# Allegro board ZDRK-36-DE3-A02-20190729.brd (continued)
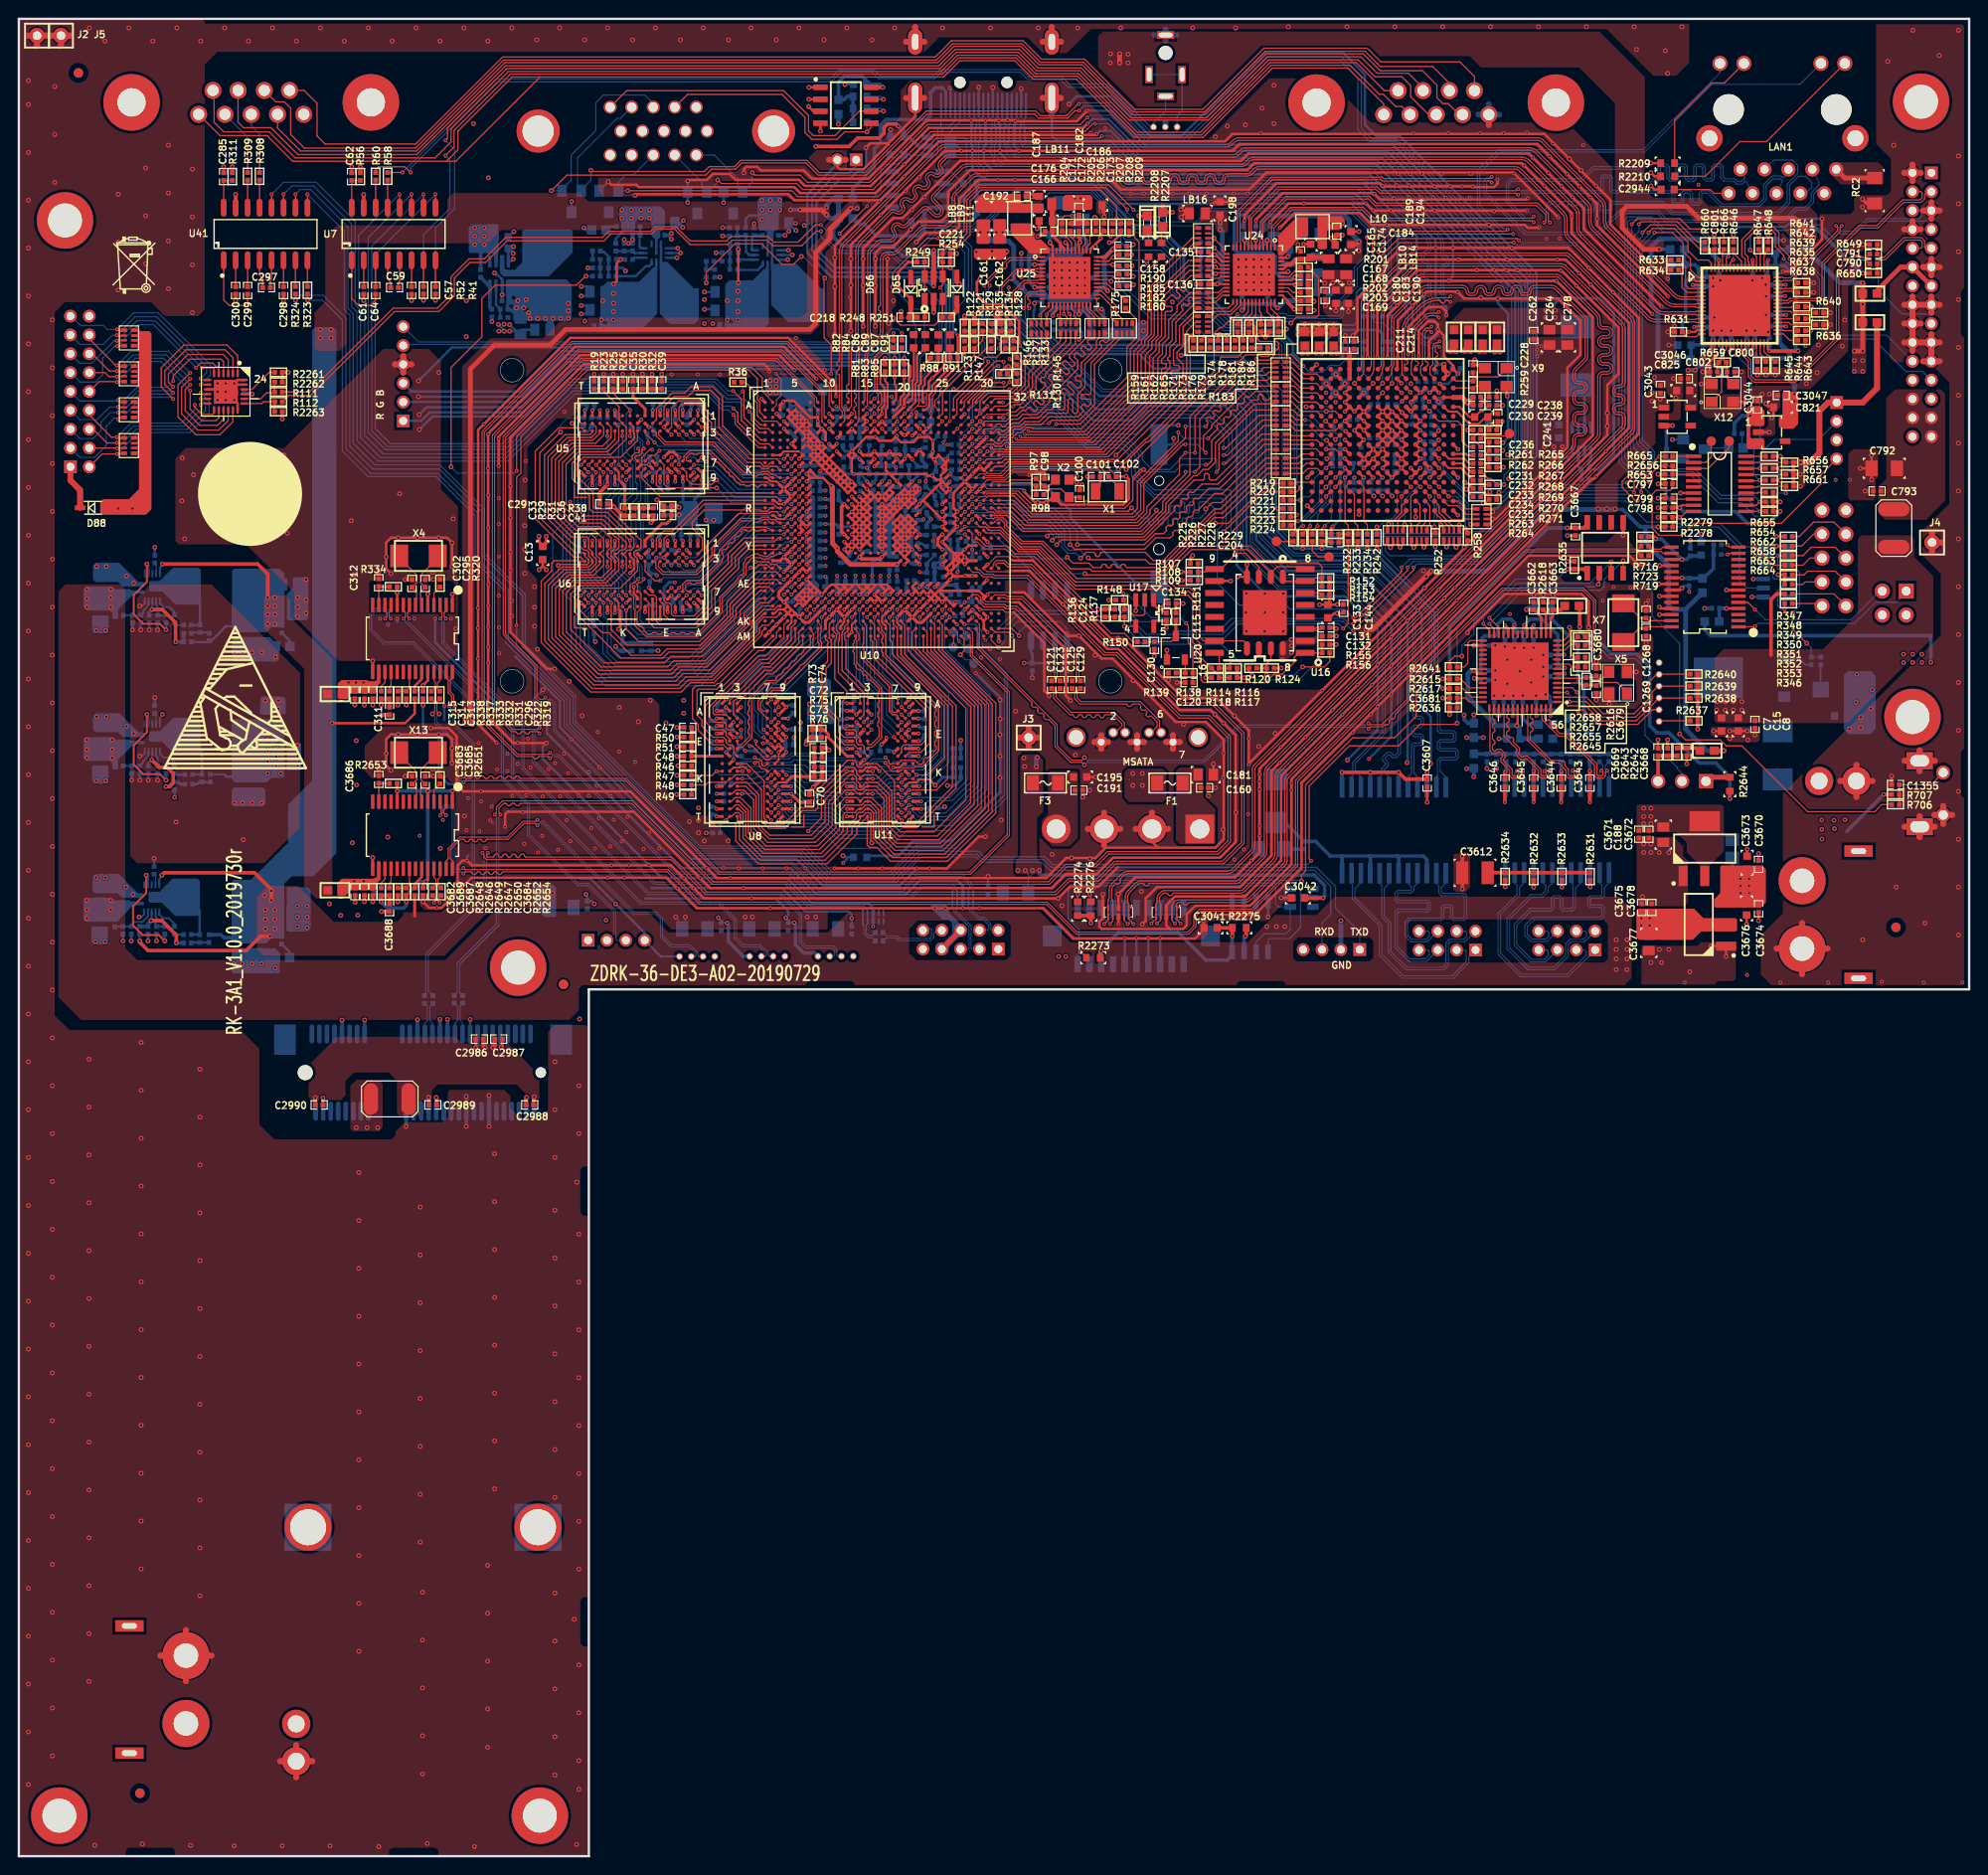
[diagram p0: board, top side]
## Nets (continued)
N18122567: R319.2 U43.26(DP0)
N18122574: R338.2 U43.17(PSELF)
N18122576: R337.2 U43.18(PGANG)
N18122660: C295.2 U43.6(XTAL1) X4.1
N18122662: C302.2 U43.7(XTAL2) X4.2
N18122672: R331.2 U43.23(V5)
N18122674: R332.1 R333.1 U43.21(OVCUR1#)
N18172660: J108.7 R348.1
N18172710: J108.8 R347.1
N18173126: J108.3 R352.1
N18173239: J108.5 R350.1
N18173263: J108.1 R346.1
N18173335: J108.2 R353.1
N18173338: J108.4 R351.1
N18173341: J108.6 R349.1
N18174047: Q2.1(G) R28.1
N18220213: L14.1(A) U38.3(SW)
N18220215: R304.1 R305.1 U38.7(FB)
N18220289: C279.1(A) R306.2(B) U38.8(EN)
N18223070: R36.1(A) U10.D3(VOU_SLV_DATA14/GPIO0_0)
N18449967: C2944.1 J115.1(CT)
N18450000: J115.12(LED-_G) R2209.2
N18450023: J115.14(LED+_Y) R2210.2
N18475321: C2318.2 LB52.2 R158.1 R160.1 R2212.1 U27.8(VDD)
N18475325: R158.2 U27.7(WP)
N18477076: R1119.2 U58.7(WP)
N18912882: C125.1 CON1.5(RXN)
N18912884: C129.1 CON1.6(RXP)
N18912886: C123.1 CON1.3(TXN)
N18912888: C121.1 CON1.2(TXP)
N18931732: R2261.2 U103.22(I\N\T\)
N18931787: R111.2 R2262.2 U103.20(SDA)
N18931789: R112.2 R2263.2 U103.19(SCL)
N18932104: J22.1 J23.1
N18932107: J22.6 J23.6
N18932110: J22.7 J23.7
N18932113: J22.8 J23.8
N18932128: J22.4 J23.4
N18932131: J22.9 J23.9
N18933886: D88.1(K) J127.1
N18946476: C3030.1 F11.2 JU3.1
N18946522: C3031.1 F22.2 JU4.1
N18946577: C3029.1 F24.2 JU2.1
N18950285: C3040.1 F25.2 J128.1(6)
N18950764: C2906.1 C2907.1 R716.1 U44.17(3V3OUT)
N18950898: R719.1 U44.16(DM)
N18950900: R723.1 U44.15(DP)
N18950914: C1268.2 U44.27(OSC1) X7.1
N18950916: C1269.2 U44.28(OSC2) X7.2
N18950939: R718.2 U44.13(EE_CLK)
N18950941: R722.2 U44.14(EE_DATA)
N18954032: R2275.2 U107.7(WP)
N18957216: R2277.2 U32.C6(HPA_B)
N18970956: D65.1(K) R251.1
N18974086: R641.1 U66.45(SSRXP)
N18974088: R642.1 U66.44(SSRXN)
N18974096: R639.1 U66.40(A3_TX1N)
N18974098: R640.1 U66.39(A2_TX1P)
N18974100: R635.1 U66.37(SSTXN)
N18974102: R636.1 U66.36(SSTXP)
N18974108: R637.1 U66.34(B3_TX2N)
N18974110: R638.1 U66.33(B2_TX2P)
N18974228: R631.1 U66.16(R6K)
N18974283: R643.1 U66.31(VBUS_DET)
N18974287: R644.1 U66.30(B5_CC2)
N18974291: R645.1 U66.29(A5_CC1)
N18974396: R634.2 U66.5(M3P)
N18974398: R633.2 U66.4(M3N)
N18974748: R646.2 U66.56(SD3_SPDIF_GPIO4)
N18974868: R647.2 U66.51(SENSP)
N18974870: R648.2 U66.50(SENSN)
N18975062: C791.2 JE1.9(P9) R649.2
N18975064: C790.1 JE1.10(P10) R650.1
N18975175: LED3.A(ANODE) R2561.2
N18975181: LED3.C(CATHODE) Q20.3(DRAIN)
N18975351: C799.1 U1492.8(VCAP)
N18978629: C3056.1(A) R2567.1(A) R2568.2(B) U1493.13(EN)
N18978639: R2565.2(B) R2566.1(A) R2571.2(B) U1493.12(FB)
N18978647: C3060.1(A) R2563.2(B) R2571.1(A)
N18978651: R2570.1(A) U1493.4(PG)
N18978655: C3053.1(A) R2570.2(B) U1493.11(VCC)
N18978661: C3054.1(A) R2569.2(B)
N18978663: R2569.1(A) U1493.10(BST)
N18978665: C3054.2(B) L16.1(A) R2563.1(A) U1493.8(SW1) U1493.9(SW2) U1493.15(SW3) U1493.16(SW4)
N18978683: R2564.1(A) U1493.6(MODE)
N18979891: C640.1(A) R462.2(B) R482.1(A) U126.13(EN)
N18979901: R480.2(B) R481.2(B) R485.1(A) U126.12(FB)
N18979909: C639.1(A) R463.2(B) R480.1(A)
N18979913: R484.1(A) U126.4(PG)
N18979917: C646.1(A) R484.2(B) U126.11(VCC)
N18979923: C635.1(A) R461.2(B)
N18979925: R461.1(A) U126.10(BST)
N18979927: C635.2(B) L49.1(A) R463.1(A) U126.8(SW1) U126.9(SW2) U126.15(SW3) U126.16(SW4)
N18979945: R483.1(A) U126.6(MODE)
N18980765: D89.A R2572.2
N18983812: D91.A R2208.2
N18983816: D90.C R2207.2
N18984245: C3608.1(A) R797.2(B)
N18984341: C3607.1(A) T3.1(P1) T3.4(P4) T3.7(P7) T3.10(P10)
N18984380: D104.1(A) R797.1(A) T3.15(P15) T3.18(P18) T3.21(P21) T3.24(P24)
N18998365: R2617.1 U1.41(ETHRBIAS)
N18998598: C3644.2 R2628.1 T1.7(P7)
N18998632: C3643.2 R2627.1 T1.10(P10)
N18998664: C3645.2 R2629.1 T1.4(P4)
N18998760: C3646.2 R2630.1 T1.1(P1)
N18998780: R2631.2 T1.15(P15)
N18998796: R2632.2 T1.21(P21)
N18998806: R2634.2 T1.24(P24)
N18999008: C3680.2 R2616.2 U1.6(XO) X5.3
N18999013: C3679.2 R2616.1 U1.5(XI) X5.1
N18999156: R2618.1 U1.16(USBRBIAS)
N19039343: C3612.1 R2631.1 R2632.1 R2633.1 R2634.1
N19039634: R2633.2 T1.18(P18)
N19048430: C3668.2 LB132.1 R2642.2
N19048438: JP1.1 R2644.1
N19048459: C3669.2 JP1.3 R2642.1 R2643.2
N19120126: C3682.1 C3684.1 C3687.1 C3688.1 C3689.1 LB140.1 R2646.1 R2647.2 R2648.1 R2653.1 U1496.1(AVDD1) U1496.5(AVDD2) U1496.10(AVDD3) U1496.16(DVDD) U1496.24(V33)
N19120139: R2651.1 U1496.4(RREF)
N19120155: C3686.1 R2653.2 U1496.13(RESET#)
N19120167: R2652.2 U1496.25(DM0)
N19120169: R2654.2 U1496.26(DP0)
N19120176: R2648.2 U1496.17(PSELF)
N19120178: R2646.2 U1496.18(PGANG)
N19120232: C3685.2 U1496.6(XTAL1) X13.1
N19120234: C3683.2 U1496.7(XTAL2) X13.2
N19120242: R2650.2 U1496.23(V5)
N19120244: R2647.1 R2649.1 U1496.21(OVCUR1#)
N19146798: R2657.2 U1.12(USBDM)
N19146801: R2658.2 U1.13(USBDP)
N180422580: R262.1 TP28.1(TP)

Pads without a net: CN3 4 9 11 16 17; D24 3; D25 3; D26 3; DXF 1 2 3 4 5 6; ID1 1; ID2 1; ID3 1; ID4 1; ID5 1; ID6 1; J22 10 11; J23 10 11; J49 13 14; J108 9 10; J115 E1 E2; J128 9; J130 2 4; JE1 1 14 24 25 30; JU5 4; NOREF#4 1; NOREF#34 1; R123 2; R146 2; R147 2; RN14 3 4 5 6; RN18 3 4 5 6; RN21 1 2 7 8; RN79 1 2 7 8; U1 10 18 21 22 25 31 32 33 34 35 38 40; U2 3 5; U3 1; U4 7; U5 J1 J9 L1 L9; U6 J1 J9 L1 L9; U8 J1 J9 L1 L9; U9 7; U10 A7 A24 A25 AA1 AA13 AA15 AA16 AA28 AA29 AA31 AA32 AC1 AD1 AD2 AE20 AJ14 AJ31 AJ32 AK1 AK31 AK32 AL15 AL18 AL24 AM3 AM10 AM16 AM18 AM25 B1 B7 B25 C2 C22 C28 D22 D27 E23 E24 E25 E27 F2 F3 F4 G3 G4 J1 K2 K4 P12 R1 U1 U12 V3 V12 W4 W27 W31 W32 Y2; U11 J1 J9 L1 L9; U12 1 2 3 7; U13 1 3 5 6 7 8 10 11 12 13 14 16 17 19 20 22 28 30 32 36 38 42 44 45 46 47 48 49 51 H3 H4 P1 P2; U16 4 5 11 12 13 14; U24 12 20 33 46; U25 12 20 33 46; U32 A2 A3 A4 B3 D3 D7 D9 D10 E3 E4 E13 E14 F1 F3 F13 F15 F16 G1 G2 G13 G14 G15 G16 H2 H3 H13 H14 H15 H16 J4 J13 J14 J15 K3 K13 L4 N2 N7 N8 N9 N10 N15 N16 P1 P2 P4 P6 P7 P8 P9 P10 P16 R1 R2 R3 R4 R5 R6 R7 R8 R9 R10 T2 T3 T4 T5 T7 T8 T9 T10; U38 1; U43 14 19 20 22; U44 2 3 6 8 9 10 11 12 19 24; U45 4 5 6; U66 18 19 24 27 57 58; U75 6; U106 3 4 5 6; U108 6; U126 3 5; U1489 4; U1490 4; U1492 5 6 13; U1493 3 5; U1494 6 7; U1496 8 9 11 12 14 19 20 22

## Via types
v1: diameter 0.406, hole 0.203, TOP to BOTTOM, 1351 vias
v2: diameter 0.508, hole 0.254, TOP to BOTTOM, 1596 vias
v3: diameter 0.356, hole 0.203, TOP to BOTTOM, 29 vias
v4: diameter 0.457, hole 0.203, TOP to BOTTOM, 104 vias

## Routing (per net, layer and track width the routed paths; a pad name or vN(x,y) marks a point on that pad's centre or on a via; arc(x,y) is an arc through that point)
1V5: length 183.5
  TOP w0.178: v1(77.5,115.15) 77.07,115.58 76.46,115.58 76.42,115.54 75.85,115.54 U8.K2 ; U5.K2 65.26,151.67 65.26,151 65.3,150.96 65.3,150.45 v1(64.87,150.02)
  TOP w0.203: U11.K2 89.54,115.15 89.93,115.54 90.32,115.54 90.36,115.58 90.91,115.58 v1(91.34,115.15) ; U6.K2 64.87,137.98 65.27,137.58 65.27,137.15 65.3,137.11 65.3,136.61 v1(64.87,136.17)
  TOP w0.254: 88.65,134.94 88.01,134.31 U10.AF12 87.36,134.94 ; 88.65,134.94 87.88,134.94 ; 88.65,134.94 88.96,134.94 ; R46.1 v2(69.95,115.72) ; v1(87.92,120.75) U11.C1 ; 84.41,134.7 84.01,134.31 U10.AF7 U10.AG6 U10.AH5 ; 84.41,134.7 U10.AE7 ; 84.41,134.7 U10.AF8 ; 83.6,133.08 U10.AH6 U10.AG5 82.8,133.88 ; 83.6,133.08 82.8,133.88 ; 83.6,133.08 U10.AG7 ; v1(87.91,111.15) U11.R1 ; U10.AE7 83.61,135.49 v1(83.61,135.5) 84.01,135.89 U10.AD7 ; U10.AE7 U10.AF6 ; v1(75.06,121.95) 75.06,121.95 U8.B2 ; R49.1 v2(69.82,112.67) ; 87.36,134.94 87.88,134.94 ; 87.36,134.94 86.56,134.94 ; 87.88,134.94 87.23,134.29 U10.AF11 86.56,134.94 ; 91.01,134.94 90.41,134.35 U10.AF15 89.76,134.94 ; 91.01,134.94 90.3,134.94 ; 91.01,134.94 91.36,134.94 ; 89.76,134.94 90.3,134.94 ; 89.76,134.94 88.96,134.94 ; 90.3,134.94 89.65,134.29 U10.AF14 88.96,134.94 ; U10.AF6 82.8,133.88 ; U10.AF6 U10.AG7 ; 86.56,134.94 86.2,134.94 85.61,134.36 U10.AF9 85.61,134.29 v1(85.21,133.9) 84.82,134.29 U10.AF8 ; v1(70.07,138.62) U6.D2 ; v1(75.06,122.76) U8.A1 ; 55.6,136.91 v2(55.98,136.53) ; 55.6,136.91 C13.1 ; 55.6,136.91 v2(55.22,136.53) ; v1(88.9,121.15) 88.9,121.15 U11.B2 ; U6.R1 v1(60.87,139.6) ; 91.36,134.94 U10.AF17 92.03,134.29 92.42,134.69 ; 91.36,134.94 92.16,134.94 92.42,134.69 ; U10.AG7 U10.AF8 ; v1(87.92,122.35) U11.A1 ; v1(84.41,133.9) v1(83.61,134.7) ; v1(88.9,117.15) U11.H2 ; v1(71.67,152.46) U5.B2 ; 92.42,134.69 U10.AF18 ; U8.R1 v1(74.07,111.15) ; U5.R1 v1(60.87,153.45) ; v1(88.9,120.35) U11.D2 ; U5.A1 72.07,153.44 v1(72.07,153.44)
  TOP w0.305: v1(81.46,118.75) U8.E9 ; U11.G7 92.9,117.15 v1(92.9,117.15) ; U8.C9 81.63,120.75 v1(81.63,120.75) ; v1(62.47,131.96) U6.N9 ; U10.AF15 v1(90.01,133.89) ; C70.1 82.86,111.86 v1(81.97,112.75) 81.97,112.75 U8.N9 ; R19.1 v2(61.06,157.28) ; v1(62.47,139.6) U6.N1 ; v1(87.91,112.75) U11.N1 ; v1(75.86,120.35) U8.D2 ; v1(95.48,119.15) U11.E9 ; R32.1 v2(67.22,157.28) ; v1(75.06,117.15) U8.H2 ; v1(62.47,153.45) U5.N1 ; v1(66.47,132.04) U6.H9 ; C39.1 v2(68.24,157.28) ; U10.N7 v1(83.61,144.29) ; U11.C9 95.48,120.75 v1(95.48,120.75) ; v1(70.47,153.44) 70.47,153.44 U5.C1 ; v1(62.47,145.55) U5.N9 ; U5.A8 72.55,146.78 72.55,146.15 v1(72.47,146.06) ; U11.H9 95.48,116.75 v1(95.48,116.75) ; U10.AB7 v1(83.61,137.09) ; v1(94.5,114.75) U11.K8 ; v1(80.66,114.75) U8.K8 ; v1(81.73,122.88) 80.78,122.88 U8.A8 ; v1(81.46,119.55) U8.D9 ; v1(67.67,147.66) U5.G7 ; U10.T7 v1(83.61,141.89) ; v1(68.87,132.04) U6.E9 ; R26.1 v2(64.11,157.28) ; v1(87.92,118.35) U11.F1 ; v1(64.47,133.02) U6.K8 ; v1(68.07,153.44) 68.07,153.44 U5.F1 ; v1(74.07,112.75) U8.N1 ; U11.D9 95.48,119.95 v1(95.48,119.95) ; v1(70.47,132.04) U6.C9 ; U10.AA7 v1(83.61,137.89) ; v1(69.67,132.04) U6.D9 ; U10.AF11 v1(86.81,133.89) ; v1(95.56,112.75) U11.N9 ; v1(74.08,118.35) U8.F1 ; v1(68.07,139.6) U6.F1 ; U11.R9 v1(95.78,111.15) ; v1(68.87,145.88) U5.E9 ; U8.R9 v1(82.05,111.15) ; U10.AF12 v1(87.61,133.89) ; R50.1 v2(69.86,118.77) ; v1(72.07,139.6) U6.A1 ; v1(66.87,151.66) U5.H2 ; U10.AF17 v1(91.61,133.89) ; v1(81.46,117.15) U8.H9 ; U10.R7 v1(83.61,142.69) ; U6.R9 v1(60.87,131.74) ; v1(70.07,151.66) U5.D2 ; v1(70.87,138.62) U6.B2 ; v1(66.88,146.87) U5.H9 ; C47.1 v2(69.86,119.79) ; v1(69.67,145.88) U5.D9 ; v1(66.87,134.62) U6.G7 ; v1(64.47,146.86) U5.K8 ; U10.V7 v1(83.61,140.29) ; v1(66.87,138.62) U6.H2 ; v1(70.47,139.6) U6.C1 ; v1(70.47,145.88) U5.C9 ; U10.AF14 v1(89.21,133.89) ; U5.R9 v1(60.87,145.47) ; v1(72.47,133.02) U6.A8 ; U8.G7 v1(79.86,117.15) ; v1(94.5,122.75) U11.A8 ; v1(74.08,120.75) U8.C1 ; U10.W7 v1(83.61,139.49) ; U10.AF18 v1(92.41,133.89)
  TOP w0.381: R75.1 C72.1 85.73,117.63 v2(85.98,117.37) ; v2(67.09,141.53) 67.35,141.79 C36.1 R31.1 ; v1(62.47,145.55) 61.67,144.75 C29.1
  BOTTOM w0.254: 54.94,164.8 L1.2 58.31,164.8 v2(58.31,164.8) ; 54.94,164.8 54.41,164.8 ; 54.94,164.8 54.1,163.96 v2(54.1,163.8) ; v2(53.59,164.31) 53.72,164.31 53.98,164.57 54.17,164.57 54.41,164.8 ; v2(58.72,152.07) 59.61,151.18 60.35,151.18 60.6,151.43 60.6,151.61 R414.1 ; 88.07,106.01 v1(87.48,105.41) ; 88.07,106.01 87.64,106.01 v2(87.48,106.17) ; 88.07,106.01 C419.1 ; 54.41,164.8 54.25,164.8 v2(53.85,165.2) 53.45,164.8 53.34,164.8 ; 53.34,164.8 53.07,165.07 v2(52.96,165.07) 53.23,164.8 53.34,164.8
  BOTTOM w0.305: C499.1 66.97,134.71 v1(66.87,134.62) ; C479.1 72.2,153.57 v1(72.07,153.44) ; v1(75.06,117.15) 75.6,117.69 C468.1 ; C400.1 92.74,117.31 v1(92.9,117.15) ; v1(67.67,147.66) 67.75,147.74 C495.1 ; C467.1 79.7,117.31 v1(79.86,117.15) ; C484.1 70.42,153.49 v1(70.47,153.44) ; C496.1 66.78,132.8 66.47,132.49 v1(66.47,132.04) ; C472.1 74.72,123.11 v1(75.06,122.76) ; 70.29,141.44 C485.1 70.29,139.77 v1(70.47,139.6) ; v1(74.08,120.75) 73.84,120.51 C475.1 ; v1(66.87,138.62) 66.84,138.59 C500.1 ; v2(99.98,118.43) C352.1 R384.1 ; v1(88.9,120.35) 88.91,120.34 C420.1 ; v1(75.86,120.35) 75.72,120.22 C469.1 ; 71.73,141.48 72.07,141.14 C480.1 72.07,139.6 v1(72.07,139.6) ; v1(81.46,118.75) 81.39,118.68 C464.1 81.39,117.22 v1(81.46,117.15) ; 70.5,143.67 C483.1 70.5,145.86 v1(70.47,145.88) ; C493.1 68.13,153.5 v1(68.07,153.44) ; C497.1 67.5,151.36 67.19,151.66 v1(66.87,151.66) ; C489.1 68.9,145.86 v1(68.87,145.88) ; C462.1 82.2,121.32 v1(81.63,120.75) ; C460.1 81.5,119.59 v1(81.46,119.55) ; C490.1 68.49,132.42 v1(68.87,132.04) ; v1(95.48,119.95) 95.68,119.75 C376.1 ; v1(87.92,118.35) C431.1 ; C494.1 68.01,139.66 v1(68.07,139.6) ; C365.1 96.24,111.25 96.14,111.15 v1(95.78,111.15) ; v1(66.88,146.87) C492.1 ; v1(60.87,153.45) 61.09,153.66 C504.1 ; v1(83.61,137.09) 83.77,136.93 C453.1 ; v1(88.9,117.15) 88.93,117.18 C416.1 ; C430.1 87.81,120.64 v1(87.92,120.75) ; C474.1 73.86,111.37 v1(74.07,111.15) ; C487.1 69.66,152.07 v1(70.07,151.66) ; v1(70.07,138.62) 70.06,138.61 C488.1 ; C482.1 71.13,151.92 v1(71.67,152.46) ; v1(72.47,146.06) 72.47,145.25 C477.1 72.43,144.72 71.73,144.02 71.73,143.64 ; C471.1 74.08,112.76 v1(74.07,112.75) ; v1(60.87,131.74) 60.87,131.26 61.06,131.06 C503.1 ; v1(88.9,121.15) 88.65,121.4 C422.1 ; C502.1 62.48,153.43 v1(62.47,153.45) ; v2(67.86,127.94) 67.12,127.94 C498.1 R409.1 ; C481.1 70.71,132.28 v1(70.47,132.04) 70.23,132.28 C486.1 ; C470.1 74.94,121.83 v1(75.06,121.95) ; v1(87.92,122.35) 87.86,122.41 C429.1 ; R407.1 v2(72.95,108.6) ; v1(95.48,120.75) 95.51,120.71 C375.1 ; C383.1 95.45,116.78 v1(95.48,116.75) ; v1(74.08,118.35) C476.1
  BOTTOM w0.381: U3.5 51.95,166.64 52.32,166.27 54.46,166.27 55.93,164.8 ; C491.1 R408.1 v2(70.08,142.34) ; R403.1 C440.1 85.09,120.24 v2(85.06,120.27)
  BOTTOM w0.762: C9.1 56.38,164.34 55.93,164.8
  vias: v1(82.81,133.1) v1(83.61,133.9) v2(52.83,164.31) v2(54.26,163.2) v2(55.07,163.2) v2(55.88,163.2) v2(56.7,163.2) v2(57.51,163.2) v2(58.32,164.01) v2(58.32,163.2) v2(83.92,122.28) v2(83.92,121.28)
1V8_DVI: length 28.2
  BOTTOM w0.305: U38.5 166.84,148.14 166.65,147.96 R304.2 167.64,147.17 169.29,148.82 169.29,163.8 167.77,165.33 163.58,165.33 162.94,164.69 162.94,164.19 v2(163.07,164.06)
  vias: v2(162.05,164.06) v2(162.05,163.3) v2(163.07,163.3)
3V3: length 195.8
  TOP w0.203: 134.72,164.85 134.72,165.05 134.13,165.64 U24.37
  TOP w0.254: 93.07,150.62 92.66,150.22 91.31,150.22 v1(90.91,150.62) 89.94,150.62 v1(88.41,149.09) ; 93.07,150.62 93.62,150.06 94.92,150.06 95.48,150.62 ; 93.07,150.62 v1(93.19,150.75) ; v1(97.18,148.21) 97.33,148.06 v3(97.33,147.78) ; v1(97.18,148.21) 96.81,148.58 U10.H23 ; v1(97.18,148.21) 97.61,148.64 U10.H24 U10.J25 ; R182.2 118.06,167.89 v2(118.29,167.67) ; 95.99,143.89 95.61,143.52 v1(95.61,143.49) ; 95.99,143.89 98.39,141.49 U10.U25 v1(98.01,141.09) ; 95.99,143.89 97.87,145.77 ; 123.88,174.42 123.82,174.42 v2(123.37,173.96) ; 123.88,174.42 123.55,174.75 v2(123.34,174.75) ; 123.88,174.42 124.19,174.42 ; v1(95.61,150.75) 95.48,150.62 ; 95.48,150.62 96.6,150.62 v3(97.03,150.19) v1(97.03,149.1) ; v2(137.31,161.49) 137.31,161.54 137.57,161.8 LB19.1 ; C133.1 v2(138.06,132.83) ; C133.1 138.94,132.94 139.12,133.12 R154.1 R153.1 R152.1 ; C133.1 v2(139.94,132.83) 139.95,132.84 C144.1 ; U25.37 113.73,170.55 114.02,170.84 v2(114.27,170.84) 114.27,171.07 114.81,171.6 v2(114.81,171.73) 114.81,172.08 C173.1 ; v2(121.79,130.4) C115.1 120.71,131.14 120.46,130.89 U17.5 ; v2(118.31,166.78) 118.19,166.65 R180.1 ; v2(136.5,162.61) LB18.1 ; LB18.1 137.03,161.8 137.29,162.05 v2(137.29,162.2) ; LB18.1 136.25,161.8 ; U10.N25 97.87,145.24 97.87,145.77 ; R2210.1 173.61,178.28 v2(173.23,178.66) ; 88.4,148.28 88.4,146.91 v1(88.62,146.69) 92.43,146.69 ; 88.4,148.28 88.01,148.66 U10.H12 ; 88.4,148.28 U10.H13 ; v2(138.79,161.59) 138.63,161.59 138.43,161.8 138.35,161.8 ; 97.87,146.04 97.87,146.56 98.4,147.09 ; 97.87,146.04 97.83,146.08 97.38,146.08 v1(96.95,146.51) 96.47,146.51 96.29,146.69 92.43,146.69 ; 97.87,146.04 U10.M25 v1(98.81,145.09) ; 97.87,146.04 97.87,145.77 ; v2(123.57,132.94) C134.1 122.81,132.92 R151.1 ; 138.35,161.8 LB19.1 ; 138.35,161.8 138.79,162.23 v2(138.79,162.28) ; LB19.1 v2(138.02,162.59) ; 98.4,147.09 98.3,147.09 97.96,147.43 U10.J25 ; 98.4,147.09 U10.K25 U10.J25 ; U10.J25 98.6,148.08 v3(98.6,148.39) ; R190.1 v2(118.11,169.98) ; R129.1 R121.1 ; R116.1 R117.1 v2(130.05,125.07) ; R130.1 105.18,158.09 v2(105.03,158.09) 104.78,158.09 104.11,157.43 R131.1 ; 92.43,146.69 92.01,147.1 U10.J17 ; 92.43,146.69 v1(93.19,145.92) ; 84.79,146.29 85.36,146.29 v1(86.22,145.43) ; 84.79,146.29 84.01,147.06 U10.K7 ; 84.79,146.29 U10.L7 v1(83.61,146.69) ; R179.1 130.86,161.06 v1(130.68,161.24) 130.58,161.34 R178.1 ; 136.25,161.8 136.07,161.8 135.79,161.52 v2(135.79,161.47) ; 136.25,161.8 135.92,162.13 v2(135.79,162.13) ; R155.1 v2(139.83,128.6) ; R127.1 104.39,160.81 104.14,160.55 104.14,160.12 v1(104.01,159.99) ; R128.1 105.28,162.92 104.01,164.19 102.01,164.19 v2(101.42,163.6) ; R109.1 v2(123.42,135.41) ; D91.C v2(118.87,174.09) ; v2(127.46,161.49) 127.3,161.34 R165.1 R162.1 ; R209.1 v2(117.86,172.03) ; LB20.1 v2(139.55,162.53) ; R124.1 v2(133.99,126.09) ; R184.1 R181.2 131.85,161.62 132.23,161.24 v2(132.31,161.24) 132.33,161.24 132.74,161.65 R184.1
  TOP w0.305: v1(98.01,141.09) U10.V25 ; U10.L7 v1(83.61,145.89) ; U10.T25 98.41,142.29 v1(98.01,141.89) U10.U25 ; U10.AE23 v1(96.41,134.69) ; U10.R21 v1(95.61,143.49) ; U10.H12 88.01,148.69 v1(88.41,149.09) U10.H13 ; U10.H23 97.03,148.91 v1(97.03,149.1) ; U10.AE22 v1(95.61,134.69) ; U10.M19 93.19,145.91 v1(93.19,145.92) ; U10.AB19 v1(93.21,137.09) ; U10.K7 v1(83.61,146.69) ; U10.N25 v1(98.81,145.09) ; U10.M25 v1(98.81,145.89)
  TOP w0.381: C169.1 v2(135.38,164.19) 134.72,164.85
  TOP w0.508: R206.1 114.3,173.81 v2(114.2,173.91) ; v1(93.21,137.09) 88.28,137.09 86.87,138.51 v1(86.87,138.81) 86.36,139.32 86.36,145.29 v1(86.22,145.43) ; C182.1 113.32,174.98 C186.1 113.58,176.01 112.76,176.01 v2(112.7,175.95) ; C182.1 112.52,175.56 112.14,175.95 v2(112.09,175.95) ; C182.1 111.7,174.98 LB11.1 ; v2(137.46,165) 137.39,165.07 R203.1 ; D65.2 99.57,167.11 v2(99.82,166.85) ; R121.1 v2(101.42,163.6)
  L3-SIG w0.254: 185.5,140.54 185.47,140.54
  BOTTOM w0.203: v2(15.24,121.18) 15.24,121.06 14.97,120.79 U2.7
  BOTTOM w0.254: v1(101.19,138.66) 101.19,139.4 R382.1 ; R371.2 R372.2 R373.2 R374.2 112.57,162 112.83,161.75 112.83,161.23 v1(112.53,160.93) ; v1(97.03,149.1) v3(97.03,150.19) 97.51,150.67 C362.1 ; 78.73,174.13 77.51,174.13 77.15,173.78 R65.1 ; U12.8 107.44,127.74 107.57,127.61 C97.2 ; C34.1 67.65,171.98 U4.8 U4.13 ; U9.13 U9.8 79.46,171.67 C63.1 ; 99.09,148.08 R386.1 98.86,148.03 98.6,148.29 v3(98.6,148.39) 98.27,148.39 97.97,148.08 C360.1 ; C31.2 21.82,114.81 22.05,114.58 23.5,114.58 C43.1 ; C97.2 v2(106.71,126.62) ; C97.2 108.94,126.62 109.75,125.81 R96.1 R95.1 ; v1(97.18,148.21) 97.18,147.93 v3(97.33,147.78) ; LB35.1 96.95,146.37 v1(96.95,146.51) ; R17.1 v2(16.54,112.37) ; R40.1 63.36,171.67 64.12,172.43 64.12,172.81 R39.1 ; v2(124.31,166.83) 124.31,166.93 125.09,167.72 R379.2 R378.2 R377.2 R376.2
  BOTTOM w0.305: LB33.1 99.68,136.33 v1(99.66,136.31) 99.52,136.17 LB32.1 ; C443.1 83.63,146.71 v1(83.61,146.69) ; C381.1 95.24,135.37 95.61,134.99 v1(95.61,134.69) ; R392.1 97.13,133.98 v1(96.41,134.69) ; R389.1 98.91,148.92 98.6,148.62 v3(98.6,148.39) ; C386.1 93.68,146.41 v1(93.19,145.92) ; LB36.1 96.41,134.7 v1(96.41,134.69) ; LB49.1 87.54,147 87.86,146.69 v1(88.62,146.69) ; v1(96.41,134.69) v1(95.61,134.69) ; v1(88.41,149.09) 88.41,149.1 ; 88.41,149.1 87.73,149.1 87.48,149.35 C427.1 ; 88.41,149.1 88.37,149.14 C423.1 ; R306.1 v2(161.93,148.44) ; LB50.1 86.87,138.39 v1(86.87,138.81) ; v1(95.61,134.69) 95.4,134.48 C382.1 ; R113.1 v1(101.19,138.66) ; v1(96.95,146.51) 96.95,146.66 97.26,146.96 C361.1 v3(97.33,147.78) 97.79,147.78 97.97,147.95 C360.1 ; v1(83.61,145.89) 83.68,145.82 C444.1 ; LB45.1 91.02,150.51 v1(90.91,150.62) 90.79,150.51 LB47.1 ; v1(98.01,141.09) 98.01,141.1 C369.1 ; v1(95.61,143.49) 95.64,143.52 95.64,143.9 C373.1 ; 99.54,145.39 99.11,145.39 v1(98.81,145.09) 98.91,145 LB34.1 ; LB51.1 v1(86.22,145.43) ; v1(97.03,149.1) 96.63,148.7 LB39.1 ; v1(93.21,137.09) 93.21,136.5 C390.1 ; C364.1 97.38,142.2 97.69,141.89 v1(98.01,141.89) ; LB44.1 93.07,150.62 v1(93.19,150.75) ; v1(98.81,145.89) 98.81,145.78 98.3,145.26 C358.1
  BOTTOM w0.381: R20.1 49.02,170.13 49.53,170.64 50.5,170.64 C25.2 50.65,170.49 U3.2 ; v1(95.61,150.75) 95.02,150.16 LB41.2 ; v1(97.18,148.21) 96.8,148.59 LB39.1
  vias: v2(26.42,118.47) v2(26.42,117.32) v2(26.42,116.18) v2(26.42,114.91) v2(27.31,117.83) v2(27.31,116.69) v2(27.31,115.67) v2(27.81,118.47) v2(27.81,114.91) v2(35.81,77.32) v2(36.96,77.32) v2(38.1,77.32) v2(48.39,172.82) v2(48.39,171.93) v2(48.39,171.04) v2(49.4,172.82) v2(49.4,171.93) v2(49.4,171.04) v2(64.01,174.73) v2(64.01,173.84) v2(65.02,174.73) v2(65.02,173.84) v2(66.04,174.73) v2(66.04,173.84) v2(66.93,174.73) v2(66.93,173.84) v2(78.87,175.74) v2(78.87,174.73) v2(78.87,173.71) v2(79.76,175.74) v2(79.76,174.73) v2(80.77,175.74) v2(80.77,174.73) v2(119.38,162.79) v2(119.38,161.9) v2(134.11,126.97) v2(135.05,129.11) v2(135.08,128.45) v2(135.08,127.74) v2(138.61,166.95) v2(139.45,166.98) v2(140.31,166.95) v2(141.2,166.98) v2(162.05,153.64) v2(162.05,152.76) v2(163.07,153.64) v2(163.07,152.76)
3V3_3G4G: length 11.8
  TOP w0.381: v2(43.5,80.55) 43.54,80.52 C2989.1 ; v2(49.5,85.83) 49.5,85.86 49.3,86.06 C2986.1 ; C2990.1 v2(31.47,80.49) ; v2(50.29,85.83) 50.52,86.06 C2987.1 ; v2(54.7,80.58) 54.64,80.52 C2988.1
  BOTTOM w0.381: U13.39 v2(49.5,85.83) ; v2(50.29,85.83) 50.3,85.84 U13.41 ; v2(31.47,80.49) 31.5,80.46 U13.2 ; U13.52 v2(54.7,80.58) ; U13.24 v2(43.5,80.55)
3V3_232BD: length 3.4
  TOP w0.254: U44.4 v2(181.24,132.42)
  BOTTOM w0.381: LB141.2 180.49,131.06 C2880.2 181.23,132.44 v2(181.24,132.42)
3V3_BD: length 125.4
  TOP w0.254: RN80.5 12.63,152.69 12.95,153.01 12.7,153.26 RN80.6 ; RN83.7 12.69,157.57 12.95,157.84 12.65,158.14 RN83.8 ; RN81.7 12.69,161.38 12.95,161.65 12.65,161.95 RN81.8 ; RN81.5 12.63,160.31 12.95,160.63 12.7,160.88 RN81.6 ; RN82.7 12.7,149.95 12.95,150.2 12.95,150.22 ; RN82.6 12.7,149.45 12.95,149.2 12.63,148.88 RN82.5 ; U103.21 24.76,155.17 v2(24.77,155.17) ; RN83.5 12.63,156.5 12.95,156.82 12.7,157.07 RN83.6 ; RN80.7 12.69,153.76 12.95,154.03 12.65,154.33 RN80.8
  TOP w0.305: RN82.8 12.65,150.52 12.95,150.22 ; R2262.1 R2261.1 v2(28.6,157.48) ; R2263.1 v2(27.97,152.53)
  TOP w0.381: v2(26.42,133.58) 26.42,136.07 25.35,137.13 v2(15.24,137.13) ; R311.1 v2(22.66,179.3) ; R707.1 v2(197.94,112.67) ; R56.1 v2(36.25,179.3)
  TOP w0.508: v2(116.84,191.29) v2(116.84,190.32) ; v2(190.5,171.81) 190.12,171.81 189.61,172.31 189.61,172.69 188.47,173.84 178.31,173.84 177.04,175.11 170.69,175.11 170.18,174.6 170.18,172.82 172.47,170.54 v2(174.12,170.54) ; v2(195.71,166.98) LB126.1 v2(195.71,164.69) LB129.1 v2(195.71,159.74) v2(194.82,159.74)
  BOTTOM w0.203: v2(15.24,137.13) 15.24,137.01 14.97,136.74 U1493.7
  BOTTOM w0.254: R2565.1 20.09,128.88 C3060.2 20.42,128.98 21.97,130.53 23.5,130.53 C3055.1
  BOTTOM w0.305: v2(24.77,155.17) 24.64,155.3 C80.1
  BOTTOM w0.381: v2(197.94,112.67) 194.03,108.76 ; LB141.1 178.94,130.15 179.57,129.52 202.93,129.52 202.95,129.54 v2(202.95,126.7) ; LB128.1 v2(174.12,170.54)
  BOTTOM w0.508: v2(195.71,164.69) v2(195.71,166.98) 193.29,166.98 189.74,170.54 LB127.1 189.61,170.79 190.5,171.68 v2(190.5,171.81)
  vias: v2(10.57,143.03) v2(12.07,143.03) v2(26.42,132.69) v2(26.42,131.8) v2(26.42,130.78) v2(27.18,133.58) v2(27.18,132.69) v2(27.18,131.8) v2(27.18,130.78) v2(115.87,191.29) v2(115.85,190.32) v2(117.73,191.24) v2(117.73,190.32) v2(188.98,171.81) v2(189.74,171.81) v2(191.36,109.96) v2(191.36,108.97) v2(191.39,107.95) v2(192.66,109.93) v2(192.71,109.04) v2(193.83,110.01) v2(194.82,158.72) v2(194.82,157.58) v2(195.71,158.72) v2(195.71,157.58) v2(200.05,127.56) v2(200.05,126.67) v2(201.02,127.56) v2(201.02,126.7) v2(201.98,127.56) v2(201.98,126.7)
3V3_MCU: length 57.4
  TOP w0.203: U1492.9 176.54,143.37 v2(176.28,143.1) C798.1
  TOP w0.305: v2(186.94,142.72) R664.1 R663.1 ; R654.1 v2(186.94,147.29) ; R653.1 v2(173.99,146.66) ; R663.1 v2(186.94,143.74) ; R663.1 R658.1 ; R662.1 v2(186.94,146.02) ; R655.1 v2(186.94,148.56)
  TOP w0.381: v2(189.1,147.93) R656.1 R657.1 ; v2(189.1,145.39) R661.1 R657.1 ; R657.1 v2(189.1,146.66)
  TOP w0.635: v2(189.1,147.93) 190.12,147.93 191.11,148.92 191.11,153.37 192.02,154.28 J116.1 195.71,154.28 197.23,155.8 LB129.2
  BOTTOM w0.305: 187.17,148.46 187.07,148.56 v2(186.94,148.56) 187.58,147.93 v2(189.1,147.93) ; v2(176.28,143.1) 176.1,143.1 174.85,144.35 174.85,145.8 v2(173.99,146.66) ; v2(186.94,146.02) v2(186.94,147.29) 187.71,147.29 188.34,146.66 v2(189.1,146.66)
  BOTTOM w0.381: v2(186.94,142.72) 185.65,141.43 183.49,141.43 182.22,142.7 176.68,142.7 v2(176.28,143.1)
5V0: length 217.1
  TOP w0.254: v2(33.25,120.24) 41,120.24 42.01,121.26 R331.1
  TOP w0.305: R2650.1 42.01,99.82 42.04,99.8 ; R2278.1 v2(173.99,141.07)
  TOP w0.381: v2(26.67,97.64) 25.65,97.64 24.13,96.11 13.72,96.11 12.83,97 v2(12.83,97.13) ; C3042.2 v2(138.43,101.7) ; v2(93.34,183.62) 93.12,183.85 92.2,183.85 91.82,183.46 91.82,182.85 91.31,182.35 89.03,182.35 88.14,181.46 v2(84.58,181.46) ; v2(26.8,101.45) v2(26.8,102.46) 26.8,102.59 25.02,104.37 15.43,104.37 v2(15.17,104.11) ; U1489.3 v2(175.52,151.83)
  TOP w0.508: v2(82.93,174.73) 85.22,174.73 v2(85.72,174.22) ; v2(97.1,166.67) U33.5 v2(97.1,170.41) ; v2(143,130.18) 143.69,130.18 v2(149.89,136.37) ; LB132.2 v2(180.98,117.32) ; v2(94.67,166.73) D66.2
  BOTTOM w0.127: 69.98,98.4 70.74,99.16 v2(70.74,99.67) ; 69.98,98.4 69.98,99.42 v2(69.72,99.67) ; 69.98,98.4 F8.1 ; v2(26.8,102.46) 27.43,101.83 27.64,101.83 ; 107.14,103.78 107.14,104.17 107.07,104.23 107.07,104.36 v2(106.81,104.62) ; 107.14,103.78 107.98,104.62 v2(108.33,104.62) ; 107.14,103.78 F25.1
  BOTTOM w0.203: U126.7 14.9,103.72 15.17,103.99 v2(15.17,104.11)
  BOTTOM w0.254: R481.1 v2(12.83,97.13)
  BOTTOM w0.381: R2562.1 174.88,151.74 174.85,151.76 ; v2(183.77,152.88) 182.88,152.88 182.09,152.1 R2561.1 ; C2991.2 94.49,182.47 95.5,181.46 U75.5 ; v2(173.99,141.07) 172.09,141.07 170.23,142.93 169.47,142.93 v2(169.42,142.98) ; v2(81.91,174.73) v2(82.93,174.73) ; LB144.2 87,173.2 86.49,172.69 86.49,171.81 87.38,170.92 92.71,170.92 93.85,169.77 96.52,169.77 97.1,170.36 v2(97.1,170.41) ; v2(108.33,104.62) 108.33,104.24 108.46,104.11 137.49,104.11 138.61,103 138.61,101.88 v2(138.43,101.7) U108.5 ; C639.2 21.44,97.79 21.74,97.49 C643.1
  BOTTOM w0.508: v2(180.98,117.32) 179.2,117.32 176.91,119.61 176.91,132.31 ; 176.91,132.31 175.56,132.31 175.11,132.77 175.11,136.98 172.64,139.45 172.64,141 172.72,141.07 ; 176.91,132.31 LB142.1 ; v2(97.1,166.67) 96.67,167.11 95.05,167.11 v2(94.67,166.73) ; v2(108.1,116.61) 108,116.51 v2(108,115.62) ; v2(85.72,174.98) 85.72,175.23 86.36,175.87 LB143.2 LB144.2 86.11,173.84 v2(85.72,174.22) ; v2(93.34,183.62) 93.92,183.05 C2991.2 ; v2(149.89,136.37) 155.75,136.37 162.31,142.93 168.48,142.93 v2(168.53,142.98) 168.58,142.93 169.37,142.93 v2(169.42,142.98) ; LB52.1 v2(87,183.82) ; v2(55.82,102.21) 55.82,101.05 F24.1
  vias: v2(26.09,101.98) v2(26.16,100.43) v2(26.16,99.42) v2(26.16,98.4) v2(27.18,100.43) v2(27.18,99.42) v2(27.18,98.4) v2(32,162.03) v2(32,161.14) v2(33.15,162.03) v2(33.15,161.14) v2(54.91,102.21) v2(55.32,102.84) v2(56.21,102.84) v2(56.64,102.21) v2(77.09,99.67) v2(77.85,99.67) v2(83.69,99.67) v2(84.58,99.67) v2(106.05,104.62) v2(106.68,116.56) v2(106.76,115.65) v2(107.57,104.62) v2(142.52,129.64) v2(143.26,129.57) v2(149.1,136.42) v2(149.38,135.81) v2(167.64,142.98) v2(173.35,155.3) v2(173.35,154.41) v2(174.22,154.64) v2(183.77,153.64)
5V0_P: length 7.5
  TOP w0.254: U44.20 v2(176.53,135.67)
  BOTTOM w0.381: v2(176.53,135.67) 176.57,135.64 C2879.1 178.66,135.64 LB142.2 178.82,135.61 179.88,136.68 R718.1 R722.1